# Altium PCB harmonicAnalyzerPcb_r002.PcbDoc
Units mm, origin at the board's own origin, x right, y up, seen from the top; angles counter-clockwise.
Board outline 88.5 x 90 mm, 2 copper layers (Top Layer, Bottom Layer), stack 1.571 mm thick; 90 components, 69 nets, 345 pads, 116 vias.
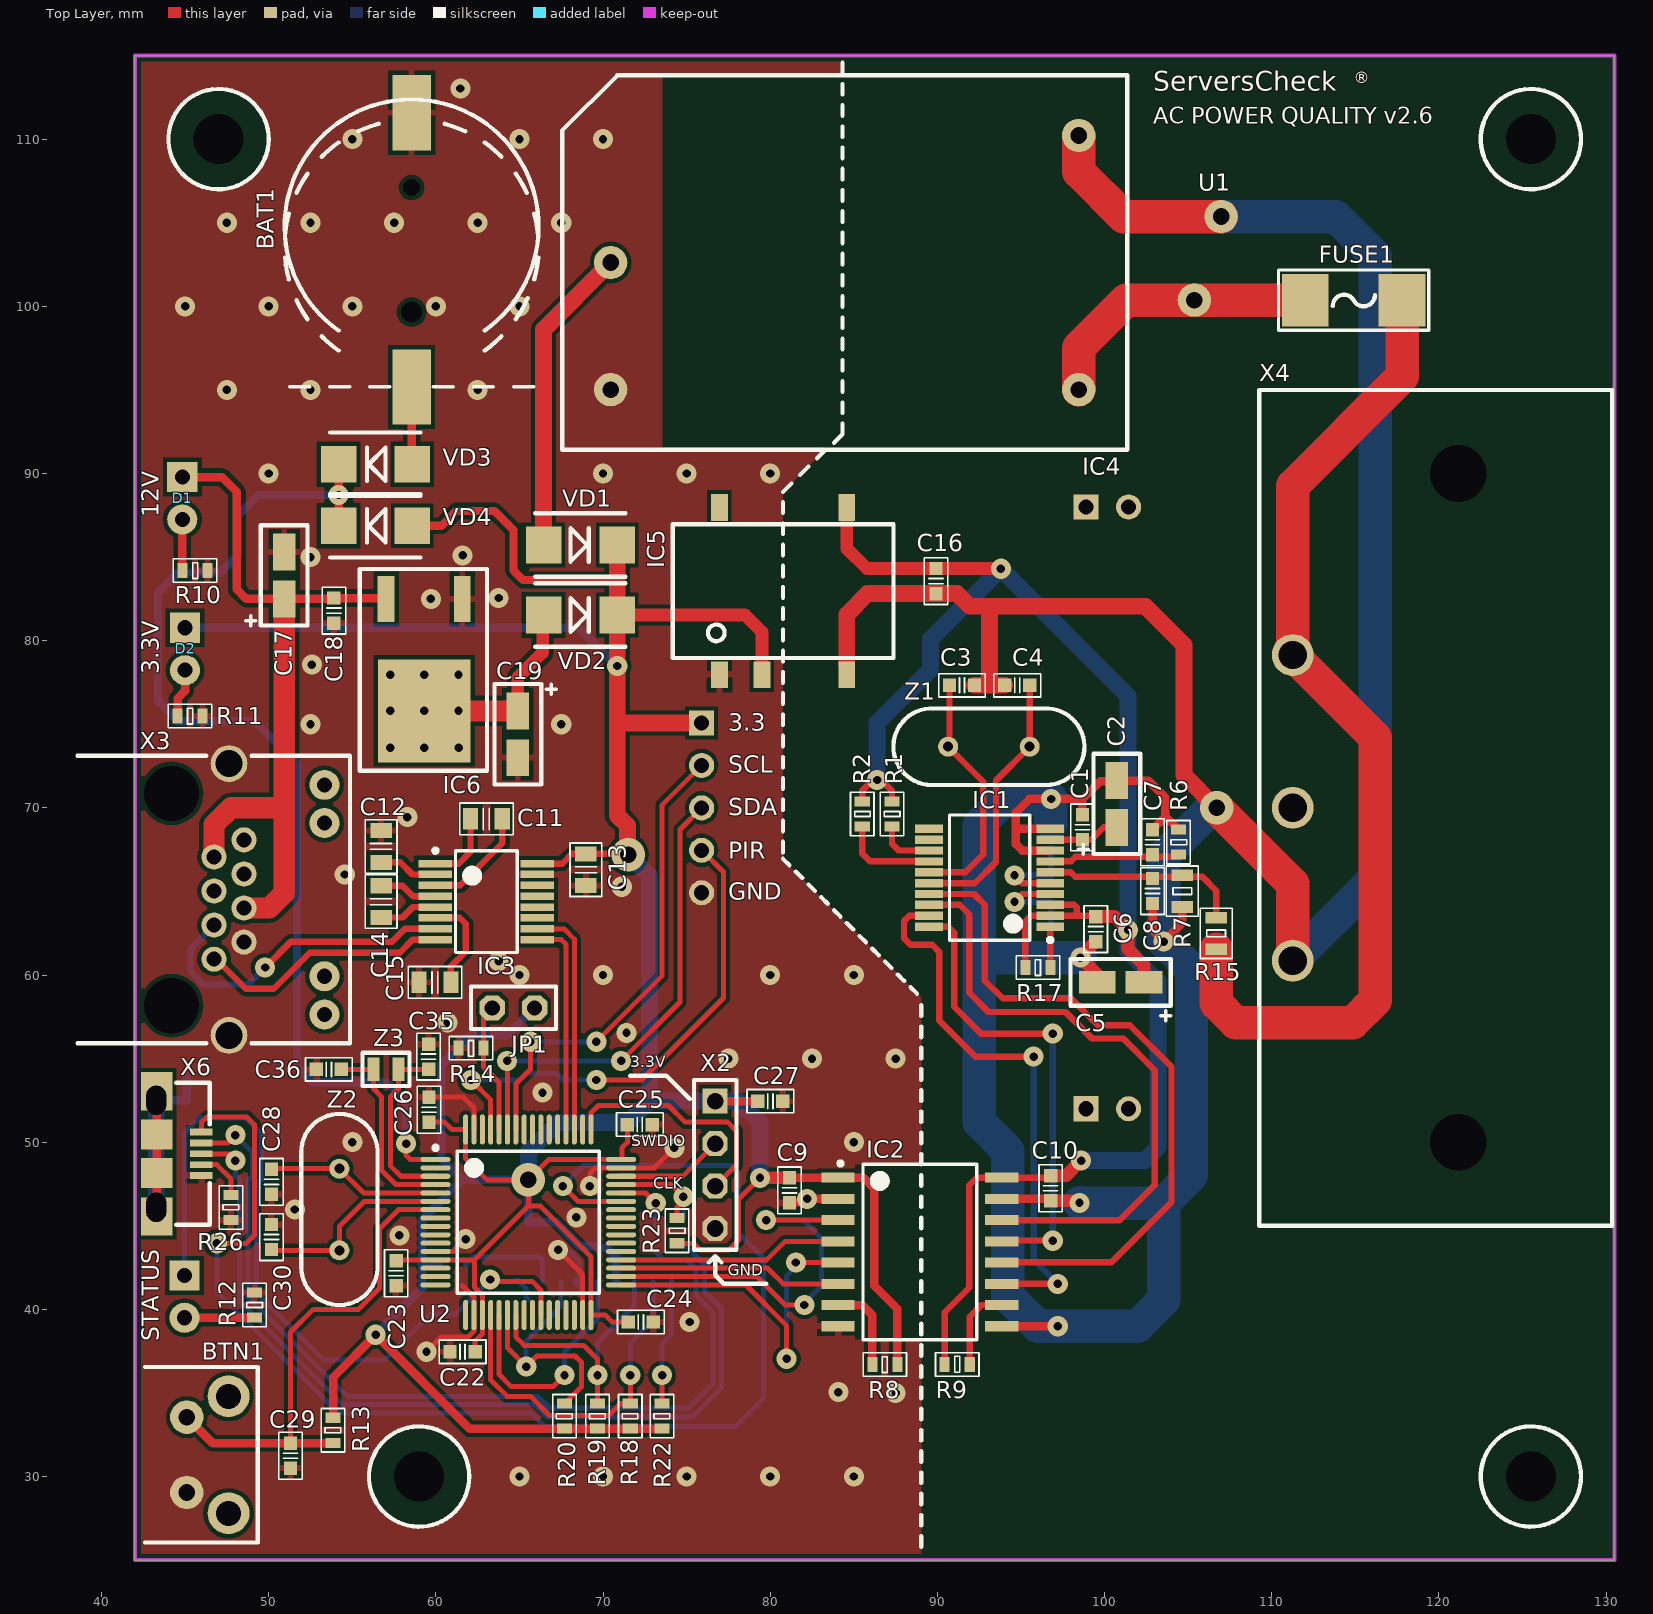
[diagram p0: Top Layer view]
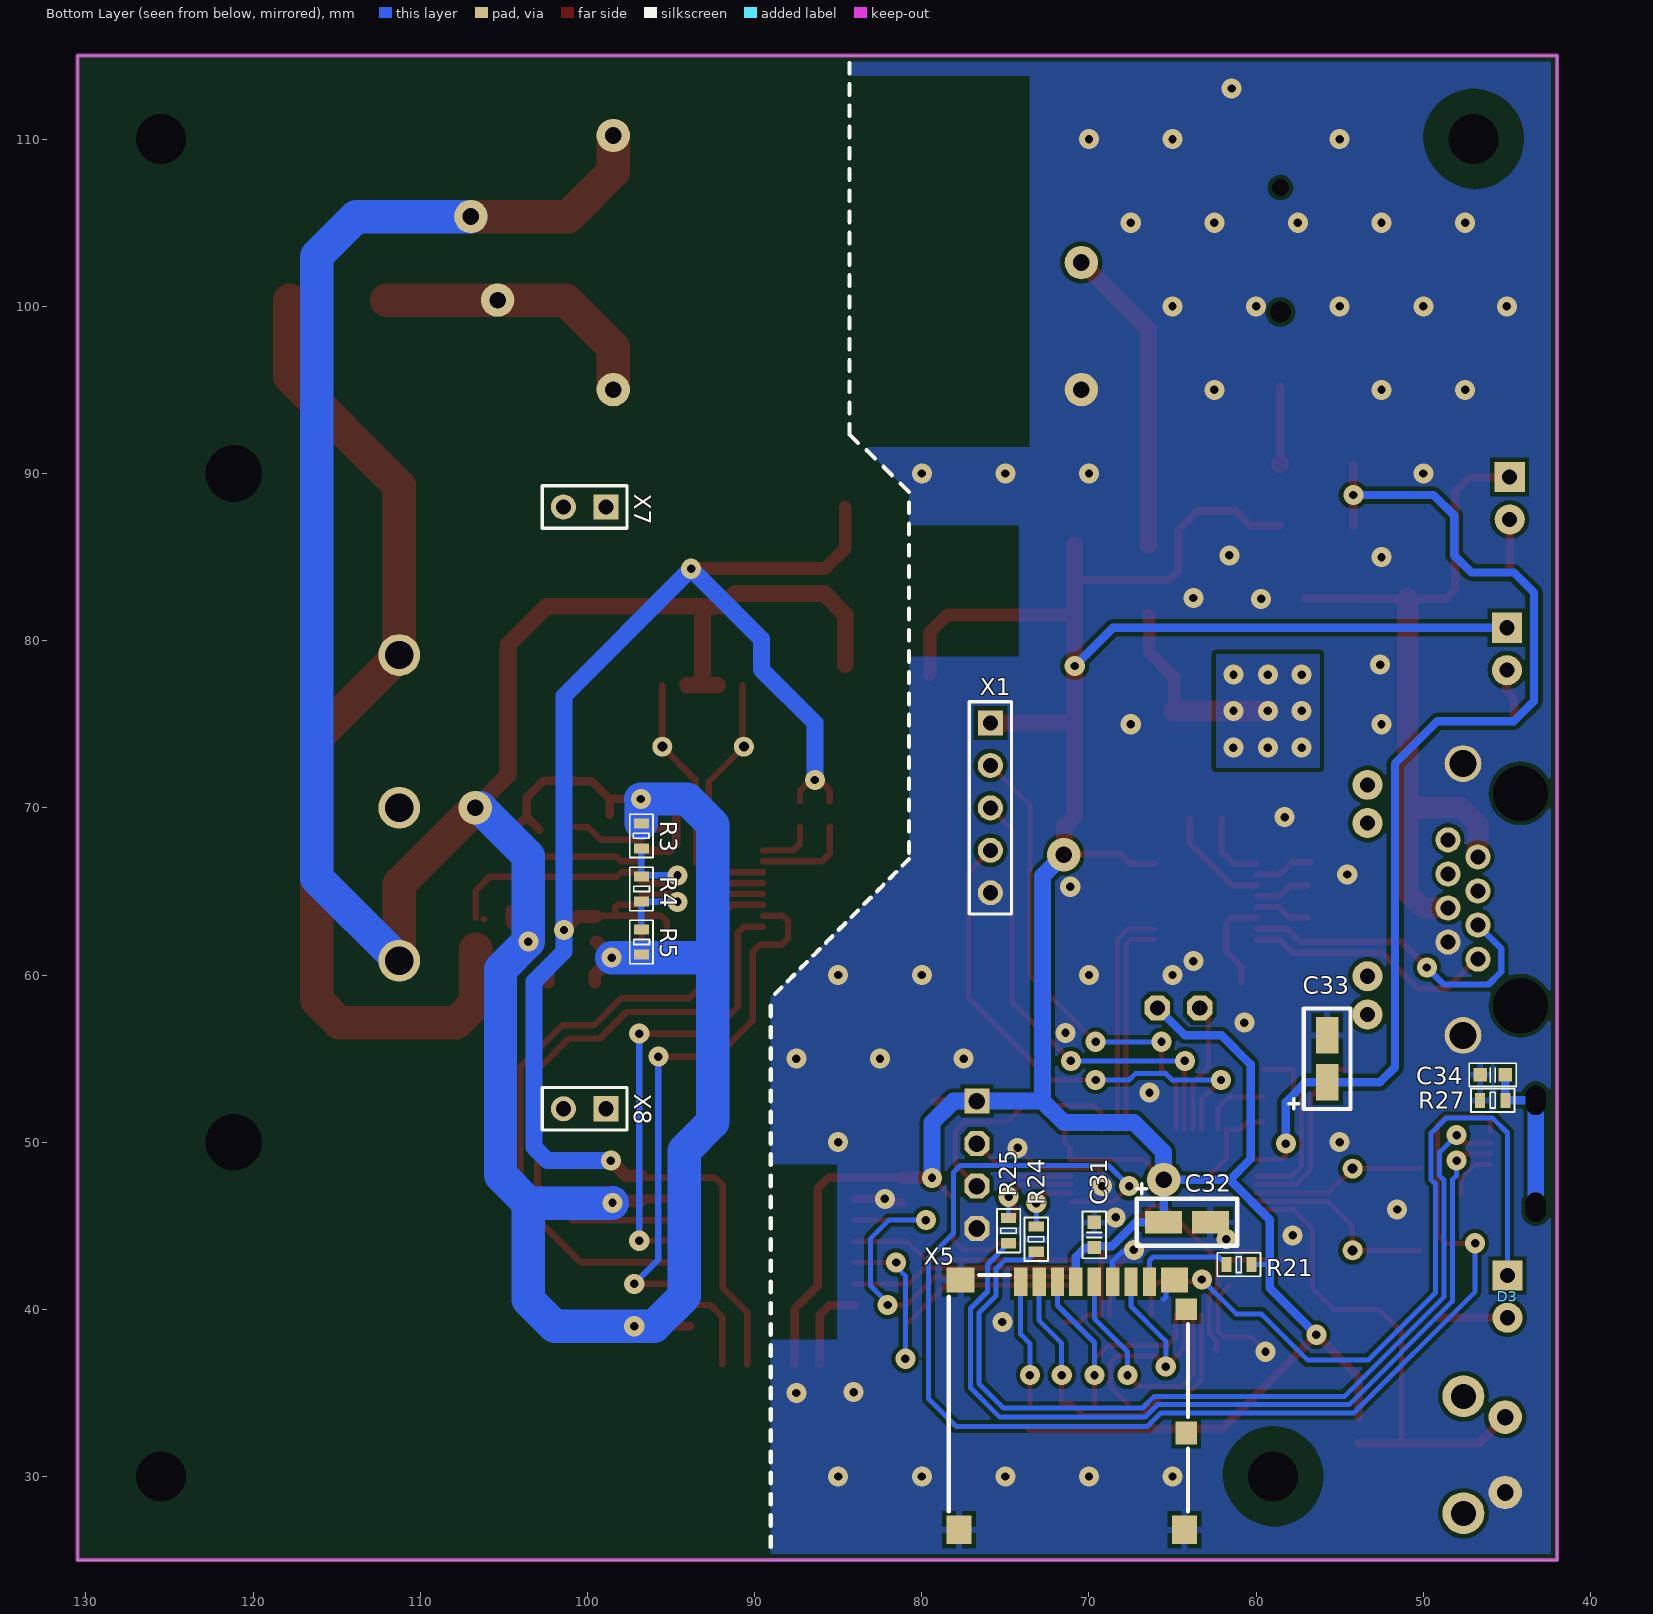
[diagram p1: Bottom Layer view, seen from below]

## Layer stack, top to bottom
Top Solder: solder mask 0.0102, Solder Resist, Dk 3.5
Top Layer: signal copper 0.0356
Dielectric 1: dielectric 1.5, FR-4, Dk 4.8
Bottom Layer: signal copper 0.0356
Bottom Solder: solder mask 0.0102, Solder Resist, Dk 3.5

## Board outline
42,25 130.5,25 130.5,115 42,115

## Design rules (kind name [scope] priority, off if disabled: settings)
Clearance [All] p1: gap=0.127 ignorepadtopadclearanceinfootprint=FALSE except(0.25: Arc-Fill Arc-Poly Arc-Region Track-Fill Track-Poly Track-Region SMDPad-Fill SMDPad-Poly SMDPad-Region THPad-Fill THPad-Poly THPad-Region Via-Fill Via-Poly Via-Region Fill-Fill Fill-Poly Fill-Region Poly-Poly Poly-Region Region-Region)
ComponentClearance [All] p1: gap=0 collisioncheckmode=3 verticalgap=0 showdistances=FALSE
Height [All] p1: minheight=0 maxheight=33 prefheight=12.7
HoleSize [All] p1: absolutevalues=TRUE maxlimit=3.5 minlimit=0.025 maxpercent=80.000 minpercent=20.000
MinimumSolderMaskSliver [All] p1: minsoldermaskwidth=0
PolygonConnect [All] p1: thpad.connectstyle=Direct thpad.reliefconductorwidth=0.254 thpad.reliefentries=4 thpad.polygonreliefangle="90 Angle" thpad.airgapwidth=0.254 smdpad.connectstyle=Relief smdpad.reliefconductorwidth=0.381 smdpad.reliefentries=4 smdpad.polygonreliefangle="90 Angle" smdpad.airgapwidth=0.254 via.connectstyle=Direct via.reliefconductorwidth=0.254 via.reliefentries=4 via.polygonreliefangle="90 Angle" via.airgapwidth=0.254
RoutingVias [All] p1: holewidth=0.5 width=1.2 viastyle="Through Hole" minholewidth=0.5 minwidth=1.2 maxholewidth=1 maxwidth=2
SilkToSilkClearance [All] p1: silktosilkclearance=0
SilkToSolderMaskClearance [IsPad] p1: minsilkscreentomaskgap=0 clearancetoexposedcopper=TRUE
SolderMaskExpansion [All] p1: expansion=0.102 istentingtop=FALSE
Width [All] p1: maxlimit=2.54 minlimit=0.254 preferedwidth=0.254
24 further rules are at their usual default settings.

## Classes and differential pairs
component class STM32F105: BAT1 BTN1 C22 C23 C24 C25 C26 C27 C28 C29 C30 C31 C32 C33 C34 C35 C36 D3 JP1 R12 R13 R14 R18 R19 R20 R21 R22 R23 R24 R25 R26 R27 U2 VD3 VD4 X1 X2 X5 X6 Z2 Z3
component class harmonicAnalyzer_r002: R15 R17 X3 X4 X7 X8
component class Isolator: C9 C10 IC2 R8 R9
component class "Meterind IC": C1 C2 C3 C4 C5 C6 C7 C8 IC1 R1 R2 R3 R4 R5 R6 R7 Z1
component class "Power Supply": C16 C17 C18 C19 D1 D2 FUSE1 IC4 IC5 IC6 R10 R11 U1 VD1 VD2
component class "RS232 Driver": C11 C12 C13 C14 C15 IC3

## Components (designator, comment, footprint, x,y, rotation, side; value= is the part's Value field where it differs from the comment)
BAT1 "Battery" S8411-45R 58.547,103.378 r270 top
BTN1 "Push Button" "PUSH BUTTON RIGHT ANGLE" 47.6,31.3 r270 top
C1 "100n" C_0603 98.679,68.834 r90 top
C2 "10u" TANTALUM_CAP_SIZE_A 100.734,70.231 r90 top
C3 "18p" C_0603 91.472,77.33 r180 top
C4 "18p" C_0603 94.774,77.33 r0 top
C5 "10u" TANTALUM_CAP_SIZE_A 100.965,59.563 r180 top
C6 "100n" C_0603 99.474,62.745 r90 top
C7 "33n" C_0603 102.87,67.945 r270 top
C8 "33n" C_0603 102.87,65.024 r90 top
C9 "100n" C_0603 81.153,47.117 r90 top
C10 "100n" C_0603 96.774,47.244 r90 top
C11 "100n" C_0805 63.021,69.343 r180 top
C12 "0.47u" C_0805 56.725,67.692 r270 top
C13 "100n" C_0805 68.97,66.294 r90 top
C14 "0.47u" C_0805 56.725,64.39 r90 top
C15 "0.47u" C_0805 59.944,59.563 r0 top
C16 "100n" C_0603 89.916,83.566 r90 top
C17 "10u" TANTALUM_CAP_SIZE_A 50.927,83.9 r90 top
C18 "0.1u" C_0603 53.9,81.8 r90 top
C19 "22u" TANTALUM_CAP_SIZE_A 64.9,74.4 r270 top
C22 "0.1u" C_0603 61.595,37.465 r180 top
C23 "0.1u" C_0603 57.625,42.164 r270 top
C24 "0.1u" C_0603 72.263,39.243 r0 top
C25 "0.1u" C_0603 72.2,51.054 r0 top
C26 "0.1u" C_0603 59.589,51.943 r90 top
C27 "0.1u" C_0603 80.01,52.451 r0 top
C28 "18p" C_0603 50.165,47.625 r90 top
C29 "1u" C_0603 51.308,31.242 r90 top
C30 "18p" C_0603 50.165,44.327 r270 top
C31 "0.1u" C_0603 69.682,44.45 r90 bottom
C32 "10u" TANTALUM_CAP_SIZE_A 64.135,45.212 r180 bottom
C33 "10u" TANTALUM_CAP_SIZE_A 55.753,54.991 r90 bottom
C34 "0.1u" C_0603 45.847,54.03 r0 bottom
C35 "9p" C_0603 59.563,55.118 r270 top
C36 "9p" C_0603 53.6,54.356 r0 top
D1 "LED Red" "LED RED 3MM" 44.831,88.519 r270 top
D2 "LED Blue" "LED BLUE 3MM" 45,79.502 r270 top
D3 "LED Green" "LED GREEN 3MM" 44.967,40.767 r270 bottom
FUSE1 "Fuse" SF-2410FPXXXW 114.9,100.37 r180 top
IC1 "ADE7753" SOP-20 93.124,65.819 r180 top
IC2 "ISO7741" SOIC-16 88.953,43.434 r0 top
IC3 "MAX3232" SSOP-16 63.021,64.39 r0 top
IC4 "RAC01-3.3SC" RAC01-xxSGB 84.455,102.616 r180 top
IC5 "R1S-3.305-R" "TES 1-0511" 80.772,82.966 r90 top
IC6 "AMS1117-3.3" TO252AA 61.54,82.38 r270 top
JP1 "PLS-2" PLS-2 64.643,58.039 r0 top
R1 "100k" R_0603 87.282,69.629 r90 top
R2 "100k" R_0603 85.504,69.629 r90 top
R3 "100k" R_0603 96.774,68.326 r270 bottom
R4 "100k" R_0603 96.774,65.151 r90 bottom
R5 "100k" R_0603 96.774,61.976 r90 bottom
R6 "1k" R_0603 104.426,67.945 r90 top
R7 "1k" R_0805 104.648,65.024 r270 top
R8 "4.7k" R_0603 86.856,36.703 r0 top
R9 "4.7k" R_0603 91.186,36.703 r180 top
R10 "6.8k" R_0603 45.6,84.201 r0 top
R11 "1.5k" R_0603 45.3,75.5 r0 top
R12 "2.2k" R_0603 49.149,40.259 r90 top
R13 "10k" R_0603 53.848,32.766 r270 top
R14 "100k" R_0603 62.103,55.626 r0 top
R15 "1M" R_0805 106.68,62.484 r270 top
R17 "10k" R_0603 96.012,60.452 r0 top
R18 "10k" R_0603 71.628,33.612 r270 top
R19 "10k" R_0603 69.671,33.612 r270 top
R20 "10k" R_0603 67.691,33.612 r270 top
R21 "10k" R_0603 61.035,42.684 r180 bottom
R22 "10k" R_0603 73.533,33.612 r270 top
R23 "20" R_0603 74.422,44.704 r90 top
R24 "20" R_0603 73.152,44.196 r270 bottom
R25 "20" R_0603 74.803,44.704 r270 bottom
R26 "20" R_0603 47.752,46.101 r270 top
R27 "10" R_0603 45.847,52.506 r0 bottom
U1 "Varistor" VARISTOR_45948 106.172,102.87 r90 top
U2 "STM32F105R8T6" STM-LQFP64_N 65.532,45.212 r0 top
VD1 "Schottky Diode" DO-214AA 68.65,85.725 r0 top
VD2 "Schottky Diode" DO-214AA 68.65,81.534 r0 top
VD3 "Schottky Diode" DO-214AA 56.388,90.551 r180 top
VD4 "Schottky Diode" DO-214AA 56.388,86.868 r180 top
X1 "PBS-5" PBS-5-3D 75.9,75.08 r270 bottom
X2 "PLS-4" PLS-4 76.708,48.641 r0 top
X3 "RJ-45" RJHSE-5E8X 48.766,64.516 r270 top
X4 "C13" C13_RA_TH 111.256,70 r270 top
X5 "MX-502774-0891" "MICRO SD SOCKET 2" 70.232,41.656 r270 bottom
X6 "USB 2.0 Micro B" "USB 2.0 MICRO B" 45.974,49.306 r270 top
X7 "PBS-2" PBS-2-3D 98.9,88 r0 bottom
X8 "PBS-2" PBS-2-3D 98.9,52 r0 bottom
Z1 "3.58MHz" HC-49 93.082,73.656 r180 top
Z2 "8MHz" HC-49 54.229,45.974 r90 top
Z3 "32.768kHz" ST2012SB 57.018,54.356 r0 top

## Footprints (in the part's own frame and the unit in brackets; to place one, negate y for a bottom-side part, rotate by r counter-clockwise, add the part's x,y. Pads: shape width x height; smd on the part's side, far side on the other; paste and mask are expansions set on the pad)
C13_RA_TH [mm]
  round 0 hole 3.4: 0(-20,9.9) 0(20,9.9)
  round 2.5 hole 1.7: 1(-9.14,0) 2(0,0) 3(9.14,0)
  silkscreen extent -25,-2 25,19.1, body extent -24.88,-1.8 24.88,21.8, height 27.76
C_0603 [mm] "Chip Capacitor; Body 1.6 x 0.8 mm (LxW typ)"
  rect 0.8x0.8 smd: 1(-0.75,0) 2(0.75,0)
  silkscreen extent -1.4,-0.7 1.4,0.7, body extent -0.8,-0.4 0.8,0.4, height 0.3
C_0805 [mm] "Capacitor Pattern"
  rect 0.9x1.3 smd: 1(-0.95,0) 2(0.95,0)
  silkscreen extent -1.6,-0.95 1.6,0.95, body extent -1,-0.63 1,0.62, height 0.6
DO-214AA [mm]
  rect 2.1x2.2 smd: A(-2.2,0) C(2.2,0)
  silkscreen extent -2.7,-1.9 2.7,1.9, body extent -2.7,-1.8 2.7,1.8, height 2.4
HC-49 [mm]
  round 1.2 hole 0.6: 1(-2.44,0) 2(2.44,0)
  silkscreen extent -5.71,-2.29 5.71,2.29, body extent -5.67,-2.32 5.68,2.33, height 3.6
"LED BLUE 3MM" [mm]
  rect 1.8x1.8 hole 0.9: A(-1.27,0)
  round 1.8 hole 0.9: C(1.27,0)
  body extent -1.71,-1.65 1.5,1.65, height 5.48
"LED GREEN 3MM" [mm]
  rect 1.8x1.8 hole 0.9: A(-1.27,0)
  round 1.8 hole 0.9: C(1.27,0)
  body extent -1.66,-1.65 1.55,1.64, height 5.48
"LED RED 3MM" [mm]
  rect 1.8x1.8 hole 0.9: A(-1.27,0)
  round 1.8 hole 0.9: C(1.27,0)
  body extent -1.9,-1.9 1.6,1.9, height 6.5
"MICRO SD SOCKET 2" [mm]
  rect 1.5x1.7 smd: 0(-0.1,-7.45)
  rect 1.5x1.6 smd: 0(-0.1,5.35)
  rect 1.7x1.5 smd: 0(14.85,-7.55) 0(14.85,5.95)
  rect 1.7x0.8 smd: 1(0,-3.85) 2(0,-2.75) 3(0,-1.65) 4(0,-0.55) 5(0,0.55) 6(0,1.65) 7(0,2.75) 8(0,3.85)
  rect 1.3x1.3 smd: 9(1.65,6.05)
  rect 1.4x1.3 smd: 10(9.05,6.05)
  Top Layer region: 6.6,-10.6
  silkscreen extent -0.4,-8.15 13.75,6.15, body extent -0.4,-8.15 15.6,6.15, height 1.83
PBS-2-3D [mm] "Connector; Header; 2 Position"
  rect 1.5x1.5 hole 0.9: 1(0,0)
  round 1.5 hole 0.9: 2(2.54,0)
  silkscreen extent -1.27,-1.27 3.81,1.27, body extent -1.27,-1.27 3.81,1.27, height 8.5
PBS-5-3D [mm] "Connector; Header; 5 Position"
  rect 1.5x1.5 hole 0.9: 1(0,0)
  round 1.5 hole 0.9: 2(2.54,0) 3(5.08,0) 4(7.62,0) 5(10.16,0)
  silkscreen extent -1.27,-1.27 11.43,1.27, body extent -1.27,-1.27 11.43,1.27, height 8.5
PLS-2 [mm]
  oct 1.5x1.5 hole 0.9: 1(-1.27,0) 2(1.27,0)
  silkscreen extent -2.54,-1.27 2.54,1.27, body extent -2.54,-1.27 2.54,1.27, height 8.44
PLS-4 [mm]
  rect 1.5x1.5 hole 1: 1(0,3.81)
  oct 1.5x1.5 hole 1: 2(0,1.27) 3(0,-1.27) 4(0,-3.81)
  silkscreen extent -1.27,-5.08 1.27,5.08, body extent -1.25,-5.08 1.24,5.08, height 8.54
"PUSH BUTTON RIGHT ANGLE" [mm]
  round 2.5 hole 1.5: 0(-3.5,0) 0(3.5,0)
  round 2 hole 1: 1(-2.25,-2.5) 2(2.25,-2.5)
  silkscreen extent -5.25,-5 5.25,1.75, body extent -4.19,-10.84 4.21,1.46, height 8.3
R_0603 [mm]
  rect 0.6x0.9 smd: 1(-0.75,0) 2(0.75,0)
  silkscreen extent -1.3,-0.7 1.3,0.7, body extent -0.8,-0.41 0.8,0.41, height 0.45
R_0805 [mm] "Resistor Pattern"
  rect 0.7x1.3 smd: 1(-0.95,0) 2(0.95,0)
  silkscreen extent -1.5,-0.95 1.5,0.95, body extent -1,-0.6 1,0.6, height 0.5
RAC01-xxSGB [mm]
  round 2 hole 1: 1(-14,7.6) 2(-14,-7.6) 3(14,7.6) 4(14,0)
  silkscreen extent -16.9,-11.2 16.9,11.2, body extent -16.85,-11.1 16.85,11.1, height 19.6
RJHSE-5E8X [mm]
  rect 0x0 hole 3.3 unplated: 0(-6.35,-4.57) 0(6.35,-4.57)
  round 1.5 hole 0.9: 1(3.57,-2.03) 2(2.55,-0.25) 3(1.53,-2.03) 4(0.51,-0.25) 5(-0.51,-2.03) 6(-1.53,-0.25) 7(-2.55,-2.03) 8(-3.57,-0.25)
  round 1.8 hole 0.9: 9(6.88,4.57) 10(4.59,4.57) 11(-4.57,4.57) 12(-6.86,4.57)
  round 2.2 hole 1.6: 13(-8.13,-1.14) 13(8.13,-1.14)
  silkscreen extent -8.6,-10.2 8.6,6.1, body extent -8.42,-10.3 8.42,5.9, height 15.42
S8411-45R [mm]
  rect 0x0 hole 1.25 unplated: 0(3.725,0)
  rect 0x0 hole 1 unplated: 1(-3.725,0)
  rect 4.5x2.3 smd: +(8.2,0) -(-8.2,0)
  silkscreen extent -9,-7.6 8.2,7.6, body extent -10.2,-7.37 9,7.37, height 4.45
SF-2410FPXXXW [mm]
  rect 2.8x3.15 smd: 1(-2.9,0) 2(2.9,0)
  silkscreen extent -4.5,-1.8 4.5,1.8, body extent -3.09,-1.25 3.09,1.25, height 2.18
SOIC-16 [mm]
  rect 2x0.6 smd: 1(-4.9,4.445) 2(-4.9,3.175) 3(-4.9,1.905) 4(-4.9,0.635) 5(-4.9,-0.635) 6(-4.9,-1.905) 7(-4.9,-3.175) 8(-4.9,-4.445) 9(4.9,-4.445) 10(4.9,-3.175) 11(4.9,-1.905) 12(4.9,-0.635) 13(4.9,0.635) 14(4.9,1.905) 15(4.9,3.175) 16(4.9,4.445)
  silkscreen extent -4.87,-5.25 3.4,5.42, body extent -6.5,-5.25 5.32,5.25, height 2.72
SOP-20 [mm] "SOP, 20-Leads, Body 7.20x5.30mm, Pitch 0.65mm, IPC Medium Density"
  rect 1.65x0.5 smd: 1(-3.625,2.925) 2(-3.625,2.275) 3(-3.625,1.625) 4(-3.625,0.975) 5(-3.625,0.325) 6(-3.625,-0.325) 7(-3.625,-0.975) 8(-3.625,-1.625) 9(-3.625,-2.275) 10(-3.625,-2.925) 11(3.625,-2.925) 12(3.625,-2.275) 13(3.625,-1.625) 14(3.625,-0.975) 15(3.625,-0.325) 16(3.625,0.325) 17(3.625,0.975) 18(3.625,1.625) 19(3.625,2.275) 20(3.625,2.925)
  silkscreen extent -3.75,-3.75 2.4,3.85, body extent -3.95,-3.67 3.95,3.66, height 2.03
SSOP-16 [mm]
  rect 2x0.45 smd: 1(-3.05,2.275) 2(-3.05,1.625) 3(-3.05,0.975) 4(-3.05,0.325) 5(-3.05,-0.325) 6(-3.05,-0.975) 7(-3.05,-1.625) 8(-3.05,-2.275) 9(3.05,-2.275) 10(3.05,-1.625) 11(3.05,-0.975) 12(3.05,-0.325) 13(3.05,0.325) 14(3.05,0.975) 15(3.05,1.625) 16(3.05,2.275)
  silkscreen extent -3.17,-3.05 1.85,3.17, body extent -3.9,-3.1 3.9,3.1, height 1.9
ST2012SB [mm]
  rect 0.7x1.4 smd: 1(-0.75,0) 2(0.75,0)
  silkscreen extent -1.4,-1 1.4,1, body extent -1.03,-0.62 1.03,0.62, height 0.63
STM-LQFP64_N [mm] "Thin QFP, 64-Leads, Body 10x10mm, Pitch 0.5mm, IPC Medium Density"
  oval 1.8x0.3 smd: 1(-5.55,3.75) 2(-5.55,3.25) 3(-5.55,2.75) 4(-5.55,2.25) 5(-5.55,1.75) 6(-5.55,1.25) 7(-5.55,0.75) 8(-5.55,0.25) 9(-5.55,-0.25) 10(-5.55,-0.75) 11(-5.55,-1.25) 12(-5.55,-1.75) 13(-5.55,-2.25) 14(-5.55,-2.75) 15(-5.55,-3.25) 16(-5.55,-3.75) 33(5.55,-3.75) 34(5.55,-3.25) 35(5.55,-2.75) 36(5.55,-2.25) 37(5.55,-1.75) 38(5.55,-1.25) 39(5.55,-0.75) 40(5.55,-0.25) 41(5.55,0.25) 42(5.55,0.75) 43(5.55,1.25) 44(5.55,1.75) 45(5.55,2.25) 46(5.55,2.75) 47(5.55,3.25) 48(5.55,3.75)
  oval 0.3x1.8 smd: 17(-3.75,-5.55) 18(-3.25,-5.55) 19(-2.75,-5.55) 20(-2.25,-5.55) 21(-1.75,-5.55) 22(-1.25,-5.55) 23(-0.75,-5.55) 24(-0.25,-5.55) 25(0.25,-5.55) 26(0.75,-5.55) 27(1.25,-5.55) 28(1.75,-5.55) 29(2.25,-5.55) 30(2.75,-5.55) 31(3.25,-5.55) 32(3.75,-5.55) 49(3.75,5.55) 50(3.25,5.55) 51(2.75,5.55) 52(2.25,5.55) 53(1.75,5.55) 54(1.25,5.55) 55(0.75,5.55) 56(0.25,5.55) 57(-0.25,5.55) 58(-0.75,5.55) 59(-1.25,5.55) 60(-1.75,5.55) 61(-2.25,5.55) 62(-2.75,5.55) 63(-3.25,5.55) 64(-3.75,5.55)
  silkscreen extent -5.67,-4.25 4.25,4.57, body extent -5,-5 5,5, height 1.6
TANTALUM_CAP_SIZE_A [mm]
  rect 2.2x1.35 smd: 1(-1.4,0) 2(1.4,0)
  silkscreen extent -3,-1.4 3,2.3, body extent -1.7,-0.9 1.7,0.9, height 1.86
"TES 1-0511" [mm]
  rect 1.6x1 smd: 1(-5,3.81) 2(-5,1.27) 4(-5,-3.81) 5(5,-3.81) 8(5,3.81)
  silkscreen extent -4,-6.6 4,6.6, body extent -5.55,-6.38 5.55,6.38, height 7.08
TO252AA [mm]
  rect 2.75x1 smd: 1(-0.12,0.04) 3(-0.12,-4.52)
  rect 6.15x5.55 smd: 2(6.58,-2.24)
  silkscreen extent -1.91,-6.1 10.16,1.52, body extent -0.98,-5.51 8.95,1.03, height 2.34
"USB 2.0 MICRO B" [mm]
  rect 2.3x1.9 smd: 0(-3.75,-2.675) 0(3.75,-2.675)
  rect 0.5x0.5 hole 1.2 slot 1.75 at 0 deg: 0(-3.2,-2.7) 0(3.2,-2.7)
  rect 1.8x1.9 smd: 0(-1.15,-2.675) 0(1.15,-2.675)
  rect 0.4x1.35 smd: 1(-1.3,0) 2(-0.65,0) 3(0,0) 4(0.65,0) 5(1.3,0)
  silkscreen extent -4.25,-1.5 4.25,0.5, body extent -4,-5.45 4,0.15, height 2.82
VARISTOR_45948 [mm]
  round 2 hole 1: 1(-2.5,0.8) 2(2.5,-0.8)
  body extent -3.75,-1.92 3.75,1.93, height 11.75
